# KiCad board Combined.kicad_pcb (continued)
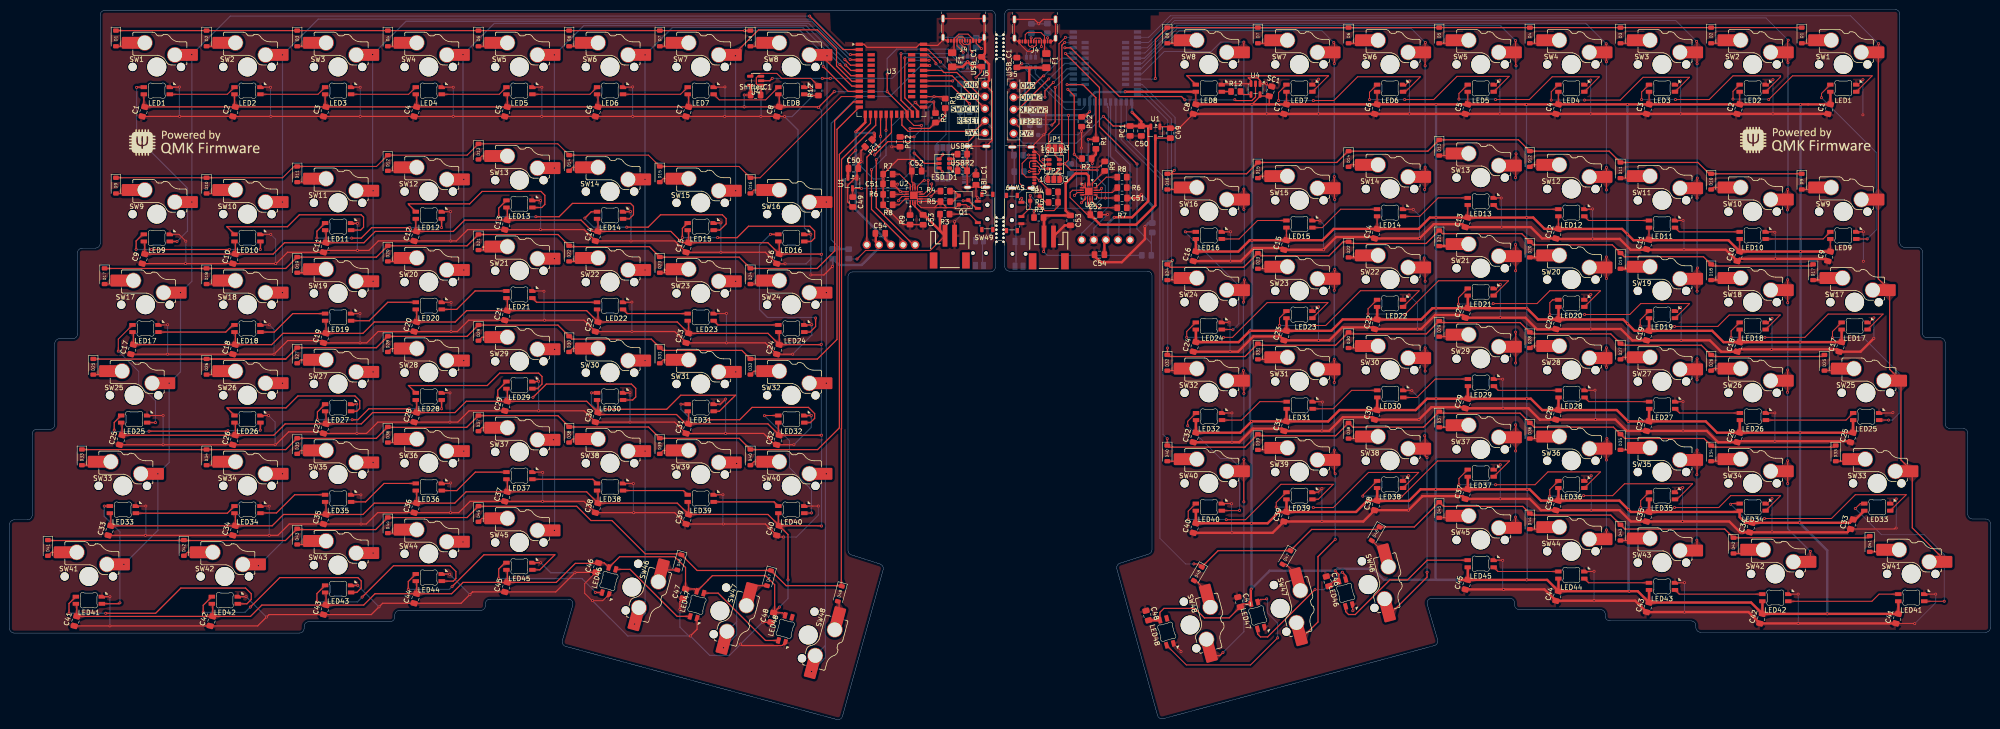
[diagram p0: board, top side]
## Routing (per net, layer and track width the routed paths; a pad name or vN(x,y) marks a point on that pad's centre or on a via; arc(x,y) is an arc through that point) (continued)
R_ROW4: length 434.6
  Top w0.2: v1(243.36,78.12) 243.36,76.72 D32#2.1
  Top w0.25: U3.13 173.91,124.12 173.91,79.94 169.77,75.81 155.74,75.81 D32.1 153.92,77.62 137.25,77.62 D31.1 134.87,80 118.2,80 D30#2.1 115.25,82.95 98.59,82.95 D29#2.1 96.15,80.57 79.54,80.57 D28#2.1 77.1,78.19 60.49,78.19 D27.1 58.05,75.81 ; 58.05,75.81 41.44,75.81 D26.1 ; 58.05,75.81 17.62,75.81 D25#2.1 ; D32#2.1 243.65,76.34 259.64,76.34 D31#2.1 262.7,78.72 278.69,78.72 D30.1 281.75,81.1 297.74,81.1 D29.1 300.8,83.48 317.47,83.48 D28.1 319.85,81.1 336.52,81.1 D27#2.1 338.9,78.72 355.57,78.72 D26#2.1 357.95,76.34 381.09,76.34 D25.1
  Bottom w0.2: v1(243.36,78.12) 243.41,78.17 243.41,126.02 238.06,131.37 U3#2.13
R_ROW5: length 459.7
  Top w0.2: v1(243.31,59.07) D40#2.1
  Top w0.25: U3.15 180.94,125.38 174.41,118.84 174.41,61.34 169.82,56.76 155.74,56.76 D40.1 153.35,59.14 136.69,59.14 D39.1 134.3,61.52 117.64,61.52 D38#2.1 115.25,63.9 98.59,63.9 D37#2.1 96.07,61.44 79.61,61.44 D36.1 77.1,59.14 60.49,59.14 D35#2.1 58.05,56.76 41.44,56.76 D34#2.1 41.38,56.76 15.24,56.76 D33#2.1 ; D40#2.1 243.65,57.29 259.64,57.29 D39#2.1 262.7,59.67 278.69,59.67 D38.1 282.31,61.48 297.18,61.48 D37.1 300.8,64.43 317.47,64.43 D36#2.1 320.41,61.48 337.08,61.48 D35.1 339.46,59.1 356.13,59.1 D34.1 357.95,57.29 383.47,57.29 D33.1
  Bottom w0.2: U3#2.15 234.71,121.97 242.41,114.27 242.41,59.97 v1(243.31,59.07)
R_ROW6: length 535.2
  Top w0.2: v1(248.91,32.72) 249.92,32.72 D48#2.1
  Top w0.25: D41.1 8.16,37.64 36.55,37.64 D42.1 36.74,37.64 57.98,37.64 D43.1 60.63,39.94 76.95,39.94 D44.1 79.54,42.47 96.15,42.47 D45#2.1 98.59,44.85 119.2,44.85 122.21,41.84 126.61,41.84 133.61,34.84 141.01,34.84 D46#2.1 144.51,31.34 160.03,31.34 D47.1 163.23,28.14 174.83,28.14 D48.1 174.93,28.11 174.81,28.24 174.81,61.1 174.86,61.15 174.86,117.79 182.04,124.98 U3.16 ; D41#2.1 390.6,38.22 D42#2.1 360.48,40.05 339.46,40.05 D43#2.1 336.52,43 319.85,43 D44#2.1 318.03,44.81 301.36,44.81 D45.1 295.25,40.5 D46.1 287.41,39.97 273.66,39.97 D47#2.1 253.99,35.5 D48#2.1
  Bottom w0.2: U3#2.16 233.61,121.97 241.76,113.82 241.76,38.12 247.16,32.72 v1(248.91,32.72)
RESET: length 105.7
  Top w0.2: J5#2.4 212.26,124.51 212.26,112.77 v1(212.96,112.07)
  Top w0.25: U3.21 187.54,125 188.86,123.69 202.77,123.69 205.01,125.93
  Bottom w0.2: v1(212.96,112.07) 212.91,112.07
  Bottom w0.25: Reset_Btn1.1 204.48,95.69 204.48,100.49 Reset_Btn1.1 206.5,102.51 206.5,124.44 205.01,125.93 ; v1(212.96,112.07) 212.96,111.52 211.51,110.07 211.51,100.75 Reset_Btn1#2.1 211.53,100.32 211.53,95.52 Reset_Btn1#2.1 ; J5#2.4 211.39,126.15 226.94,126.15 228.11,127.32 U3#2.21
SCK: length 61.3
  Top w0.25: OLED1.2 187.8,100.65 181.16,107.29 v1(181.16,115.64) ; v1(184.21,123.89) 184.24,123.93 U3.18
  Bottom w0.25: v1(181.16,115.64) 184.21,118.69 v1(184.21,123.89) ; OLED1#2.2 233.16,101.07 233.16,116.62 231.41,118.37 U3#2.18
SWDCLK: length 32.3
  Top w0.25: J5.3 198.07,135.4 U3.31 ; v1(218.41,134.72) 212.11,128.42 211.12,128.42 J5#2.3
  Bottom w0.25: U3#2.31 221.76,137.97 218.51,134.72 v1(218.41,134.72)
SWDIO: length 31.2
  Top w0.25: U3.32 195.93,136.5 196.36,136.08 199.07,136.08 204.14,131.01 205.01,131.01 ; v1(217.36,135.37) 217.21,135.37 212.68,130.84 J5#2.2
  Bottom w0.25: U3#2.32 221.06,139.07 v1(217.36,135.37)
SYS_OFF: length 45.6
  Top w0.2: Q1#2.3 201.36,109.09 v1(200.41,109.09) ; v1(186.81,109.09) 186.81,109.24 187.56,109.99 U2.15 ; SW49#2.2 214.51,107.62 Q1.3 214.51,110.22 v1(214.51,110.22) ; v1(229.51,111.72) 229.11,111.32 U2#2.15
  Top w0.25: Q1#2.3 201.51,109.19 203.21,107.49 SW49.2
  Bottom w0.2: v1(214.51,110.22) 217.21,107.52 227.51,107.52 229.51,109.52 v1(229.51,111.72) ; v1(200.41,109.09) v1(186.81,109.09)
USART_RX: length 65.5
  Top w0.2: U3.36 193.06,140.9 195.08,138.88 195.08,138.87 v1(195.66,138.29) ; v1(221.91,143.47) 220.56,142.12 220.56,125.27 218.41,123.12 JP1.1 218.16,119.97 v1(218.16,119.07) ; JP2.1 v1(218.16,114.67)
  Bottom w0.2: v1(218.16,114.67) v1(218.16,119.07) ; 196.96,114.3 JP1#2.1 196.96,114.3 ; JP2#2.1 197.46,119.79 197.41,119.74 ; JP2#2.1 196.96,119.75 ; JP2#2.1 197.46,136.49 v1(195.66,138.29) ; JP2#2.1 197.46,119.65 ; v1(221.91,143.47) U3#2.36
  Bottom w0.5: 197.41,119.74 JP1#2.1
USART_TX: length 67
  Top w0.2: v1(194.71,137.89) 194.71,138.15 193.06,139.8 U3.35 ; JP1.3 221.06,120.17 v1(221.06,118.92) ; JP2.3 v1(220.76,114.82)
  Top w0.25: JP1.3 221.16,120.37 221.16,141.82 221.73,142.39 v1(221.76,142.39)
  Bottom w0.2: v1(220.76,114.82) 220.76,118.62 v1(221.06,118.92) ; JP1#2.3 194.56,114.1 194.56,119.95 JP2#2.3 194.86,121.08 196.82,123.04 196.82,135.78 v1(194.71,137.89)
  Bottom w0.25: U3#2.35 221.78,142.37 v1(221.76,142.39)
  Bottom w0.5: JP1#2.3 194.81,120.2 JP2#2.3
VSENSE: length 111.6
  Top w0.25: v1(236.96,116.82) 229.06,124.72 229.06,132.92 v1(221.91,140.07)
  Top w0.5: U3.33 192.16,137.54 v1(193.41,137.54)
  Bottom w0.25: v1(221.91,140.07) 223.46,140.07 U3#2.33 ; v1(236.96,116.82) 236.96,103.17 239.96,100.17 ; R11.1 239.96,102.22 239.96,100.17 ; 239.96,100.17 R10#2.2 ; v1(193.41,137.54) 191.56,137.54 185.06,131.04 178.36,131.04 172.71,125.39 172.71,100.89 174.61,98.99 174.61,98.94
  Bottom w0.5: R11#2.1 R10.2
Net-(B_LED1-A): length 4.9
  Bottom w0.2: R15#2.2 214.46,128.78 B_LED1#2.2
  Bottom w0.25: R15.2 200.02,133.43 B_LED1.2
Net-(D1-A): length 5.7
  Top w0.25: 22.36,141.59 24.14,141.59 SW1#2.2 ; D1#2.2 378.67,142.22 SW1.2
Net-(D2-A): length 5.7
  Top w0.25: SW2#2.2 43.19,141.59 41.41,141.59 ; D2#2.2 359.62,142.22 SW2.2
Net-(D3-A): length 5.7
  Top w0.25: SW3#2.2 62.24,141.59 60.46,141.59 ; SW3.2 340.57,142.22 D3#2.2
Net-(D4-A): length 5.7
  Top w0.25: D4#2.2 321.52,142.22 SW4.2 ; SW4#2.2 81.29,141.59 79.51,141.59
Net-(D5-A): length 5.7
  Top w0.25: SW5#2.2 302.47,142.22 D5#2.2 ; 98.56,141.59 100.34,141.59 SW5.2
Net-(D6-A): length 5.7
  Top w0.25: SW6.2 283.42,142.22 D6.2 ; SW6#2.2 119.39,141.59 117.61,141.59
Net-(D7-A): length 5.7
  Top w0.25: D7.2 264.37,142.22 SW7#2.2 ; 136.66,141.59 138.44,141.59 SW7.2
Net-(D8-A): length 10.4
  Top w0.25: SW8.2 245.32,142.22 D8#2.2 247.07,142.22 SW8.2 ; 155.71,141.59 157.49,141.59 SW8#2.2
Net-(D9-A): length 5.6
  Top w0.2: D9#2.2 24.14,110.63 SW9#2.2
  Top w0.25: D9.2 378.87,111.47 SW9.2
Net-(D10-A): length 5.6
  Top w0.2: SW10#2.2 43.19,110.63 D10#2.2
  Top w0.25: SW10.2 358.03,111.89 D10.2
Net-(D11-A): length 5.6
  Top w0.2: D11#2.2 62.24,113.02 SW11.2
  Top w0.25: D11.2 340.64,113.85 341.07,114.28 SW11#2.2
Net-(D12-A): length 5.6
  Top w0.2: SW12.2 81.29,115.4 D12#2.2
  Top w0.25: D12.2 319.93,116.66 SW12#2.2
Net-(D13-A): length 5.6
  Top w0.2: D13.2 99.29,118.51 SW13#2.2
  Top w0.25: SW13.2 302.67,118.61 D13#2.2
Net-(D14-A): length 5.6
  Top w0.2: SW14#2.2 118.34,116.13 D14#2.2
  Top w0.25: SW14.2 281.83,116.66 D14.2
Net-(D15-A): length 5.6
  Top w0.2: SW15.2 137.39,113.75 D15.2
  Top w0.25: SW15#2.2 262.78,114.28 D15#2.2
Net-(D16-A): length 9.1
  Top w0.2: D16.2 156.44,111.36 SW16#2.2
  Top w0.25: SW16.2 247.27,111.47 D16#2.2
Net-(D17-A): length 5.6
  Top w0.25: D17.2 21.75,91.58 SW17.2
  Top w0.5: D17#2.2 381.25,92.42 SW17#2.2
Net-(D18-A): length 5.6
  Top w0.25: D18.2 43.19,91.58 SW18.2
  Top w0.5: SW18#2.2 359.82,92.42 D18#2.2
Net-(D19-A): length 10.2
  Top w0.25: SW19.2 63.99,93.97 D19.2 62.24,93.97 SW19.2
  Top w0.5: D19#2.2 340.77,94.8 SW19#2.2
Net-(D20-A): length 5.6
  Top w0.25: SW20.2 81.29,96.35 D20#2.2
  Top w0.5: D20.2 321.72,97.18 SW20#2.2
Net-(D21-A): length 28.7
  Top w0.2: 101.28,99.33 99.5,99.33 ; 101.28,99.33 99.5,99.33 ; 101.28,99.33 99.5,99.33 ; 101.28,99.33 99.5,99.33 ; 101.28,99.33 99.5,99.33 ; 101.28,99.33 99.5,99.33 ; 101.28,99.33 99.5,99.33 ; 101.28,99.33 99.5,99.33 ; 101.28,99.33 99.5,99.33 ; 101.28,99.33 99.5,99.33 ; 101.28,99.33 99.5,99.33 ; 101.28,99.33 99.5,99.33
  Top w0.25: D21.2 100.34,98.73 SW21#2.2
  Top w0.5: SW21.2 304.42,99.56 D21#2.2
Net-(D22-A): length 5.6
  Top w0.25: D22.2 119.39,96.35 SW22.2
  Top w0.5: SW22#2.2 283.62,97.18 D22#2.2
Net-(D23-A): length 27
  Top w0.2: 139.44,94.57 137.66,94.57 ; 139.44,94.57 137.66,94.57 ; 139.44,94.57 137.66,94.57 ; 139.44,94.57 137.66,94.57 ; 139.44,94.57 137.66,94.57 ; 139.44,94.57 137.66,94.57 ; 139.44,94.57 137.66,94.57 ; 139.44,94.57 137.66,94.57 ; 139.44,94.57 137.66,94.57 ; 139.44,94.57 137.66,94.57 ; 139.44,94.57 137.66,94.57 ; 139.44,94.57 137.66,94.57
  Top w0.25: SW23#2.2 138.44,93.97 D23.2 ; D23#2.2 264.57,94.8 SW23.2
Net-(D24-A): length 5.6
  Top w0.25: D24.2 157.49,91.58 SW24#2.2 ; D24#2.2 245.52,92.42 SW24.2
Net-(D25-A): length 7.4
  Top w0.25: D25.2 383.63,73.37 SW25#2.2 ; SW25.2 21.12,72.53 D25#2.2
Net-(D26-A): length 5.6
  Top w0.25: D26#2.2 358.03,73.79 SW26.2 ; SW26#2.2 43.19,72.53 D26.2
Net-(D27-A): length 7.4
  Top w0.2: SW27#2.2 61.19,75.65 D27.2
  Top w0.25: SW27.2 338.98,76.18 D27#2.2
Net-(D28-A): length 7.4
  Top w0.2: D28#2.2 80.24,78.03 SW28.2
  Top w0.25: SW28#2.2 319.93,78.56 D28.2
Net-(D29-A): length 7.4
  Top w0.2: SW29#2.2 99.29,80.41 D29#2.2
  Top w0.25: SW29.2 302.67,80.51 D29.2
Net-(D30-A): length 5.6
  Top w0.2: D30#2.2 118.34,78.03 SW30#2.2
  Top w0.25: D30.2 283.62,78.13 SW30.2
Net-(D31-A): length 7.4
  Top w0.2: D31.2 137.39,75.65 SW31#2.2
  Top w0.25: SW31.2 264.57,75.75 D31#2.2
Net-(D32-A): length 7.4
  Top w0.2: D32.2 156.44,73.26 SW32.2
  Top w0.25: D32#2.2 245.52,73.37 SW32#2.2
Net-(D33-A): length 7.4
  Top w0.25: D33.2 387.77,54.32 SW33.2 ; SW33#2.2 16.99,53.48 D33#2.2
Net-(D34-A): length 5.6
  Top w0.2: SW34.2 43.19,53.48 D34#2.2
  Top w0.25: D34.2 359.82,54.32 SW34#2.2
Net-(D35-A): length 7.4
  Top w0.2: SW35.2 61.19,56.6 D35#2.2
  Top w0.25: SW35#2.2 342.52,56.7 D35.2
Net-(D36-A): length 5.6
  Top w0.2: SW36#2.2 81.29,58.25 D36.2
  Top w0.25: D36#2.2 321.72,59.08 SW36.2
Net-(D37-A): length 7.4
  Top w0.2: SW37#2.2 99.29,61.36 D37#2.2
  Top w0.25: SW37.2 304.42,61.46 D37.2
Net-(D38-A): length 5.6
  Top w0.2: SW38.2 118.34,58.98 D38#2.2
  Top w0.25: D38.2 283.62,59.08 SW38#2.2
Net-(D39-A): length 5.6
  Top w0.2: D39.2 137.39,56.6 SW39#2.2
  Top w0.25: D39#2.2 264.57,56.7 SW39.2
Net-(D40-A): length 7.4
  Top w0.2: D40.2 156.44,54.21 SW40#2.2
  Top w0.25: D40#2.2 247.27,54.32 SW40.2
Net-(D41-A): length 7.4
  Top w0.2: D41.2 8.8,35.16 SW41.2
  Top w0.25: D41#2.2 394.91,35.27 SW41#2.2
Net-(D42-A): length 7.6
  Top w0.2: D42.2 37.37,35.16 SW42#2.2
  Top w0.25: D42#2.2 365.98,34.92 SW42.2
Net-(D43-A): length 5.6
  Top w0.2: D43.2 62.24,36.82 SW43#2.2
  Top w0.25: D43#2.2 340.77,37.65 SW43.2
Net-(D44-A): length 5.6
  Top w0.2: SW44#2.2 81.29,39.2 D44.2
  Top w0.25: D44#2.2 321.72,40.03 SW44.2
Net-(D45-A): length 5.6
  Top w0.2: D45#2.2 99.29,42.31 SW45#2.2
  Top w0.25: SW45.2 302.67,42.41 D45.2
Net-(D46-A): length 8.5
  Top w0.2: D46.2 289.32,34.61 SW46.2
  Top w0.25: D46#2.2 138.24,31.45 SW46#2.2
Net-(D47-A): length 7.4
  Top w0.2: SW47#2.2 268.29,32.64 D47#2.2
  Top w0.25: SW47.2 156.53,28.15 D47.2
Net-(D48-A): length 6
  Top w0.25: SW48.2 174.35,24.58 D48.2 ; D48#2.2 249.29,29.22 SW48#2.2
Net-(ESD_D1-L1-Pad1): length 13.7
  Top w0.2: J1.B7 216.12,116.36 216.46,116.02 v1(216.46,115.47) 216.46,114.97 216.2,114.71 J1.A7 ; ESD_D1.1 217.25,117.74 v1(217.21,117.77) ; ESD_D1#2.1 197.56,115.94 v1(198.16,115.34)
  Bottom w0.2: v1(217.21,117.77) 217.21,116.22 v1(216.46,115.47) ; v1(198.16,115.34) 198.31,115.19 198.37,115.19 198.76,114.8 200.56,114.8 J1#2.A7 201.03,114.88 201.33,115.18 201.33,116.22 201.03,116.53 J1#2.B7
Net-(ESD_D1-L2-Pad3): length 13
  Top w0.2: ESD_D1.3 217.45,115.84 215.82,117.46 J1.A6 214.65,117.46 214.36,117.17 214.36,116.12 214.67,115.81 J1.B6 ; ESD_D1#2.3 198.39,117.9 v1(198.41,117.88)
  Bottom w0.2: J1#2.B6 200.23,115.98 199.93,116.28 199.93,117.32 200.24,117.63 J1#2.A6 198.67,117.63 v1(198.41,117.88)
Net-(ESD_D2-L1-Pad1): length 12.9
  Top w0.2: J4.A7 199.08,142.72 ; J4.A7 199.13,141.7 200.41,140.42 200.41,140.35 v1(200.43,140.32) ; J4.A7 199.13,143.16 199.5,143.54 200.4,143.54 200.78,143.16 J4.B7 ; J4#2.B7 215.79,141.85 215.46,141.52 v1(214.91,141.52) 214.41,141.52 214.14,141.8 J4#2.A7
  Bottom w0.2: v1(214.91,141.52) 213.71,140.32 ESD_D2.1 ; v1(200.43,140.32) 200.41,140.3 ESD_D2#2.1
Net-(ESD_D2-L2-Pad3): length 12.8
  Top w0.2: J4#2.B6 215.24,142.99 215.54,143.3 216.59,143.3 216.89,143 J4#2.A6 216.86,142.57 v1(216.86,141.52) ; J4.B6 200.23,142.37 200.65,141.94 201.45,141.94 201.88,142.36 J4.A6 201.88,140.81 v1(202.3,140.38)
  Bottom w0.2: v1(202.3,140.38) 202.31,140.38 ESD_D2#2.3 ; v1(216.86,141.52) 215.61,140.27 ESD_D2.3
Net-(F1-Pad1): length 18.1
  Top w0.2: F1.1 217.52,140.45 J4#2.A4 217.52,143.71 216.76,144.47 213.91,144.47 213.46,144.02 213.46,143.05 213.5,143.01 J4#2.A9 ; J4.A4 202.51,143.07 201.44,144.14 199.51,144.14 198.49,143.13 J4.A9
  Top w0.25: J4.A9 198.49,140.61 F1#2.1
Net-(G_LED1-A): length 4.6
  Bottom w0.2: G_LED1#2.2 214.62,124.96 R17#2.2
  Bottom w0.25: G_LED1.2 199.76,125.9 R17.2
Net-(J1-CC1): length 7.8
  Top w0.2: J1.A5 215.37,118.72 v1(214.16,118.72) ; 199.24,118.89 USBR1.1 198.37,118.9 198.36,118.89 v1(198.21,118.89) 199.24,118.89
  Bottom w0.2: USBR1#2.1 214.11,118.67 v1(214.16,118.72) 213.21,118.72 ; v1(198.21,118.89) 198.36,118.89 198.37,118.9 200.63,118.9 J1#2.A5
Net-(J1-CC2): length 5.3
  Top w0.2: USBR2.1 199.16,115.5 v1(199.16,116.49) 199.26,116.39 ; J1.B5 215.34,115.22 214.33,115.22 v1(214.31,115.24)
  Bottom w0.2: J1#2.B5 200.61,115.4 200.24,115.4 200.07,115.58 200.07,115.58 199.53,116.11 199.53,116.12 v1(199.16,116.49) ; v1(214.31,115.24) 213.36,115.24
Net-(J4-CC1): length 5.1
  Top w0.2: v1(218.16,143.37) 218.16,143.37 J4#2.A5 ; v1(204.26,141.09) 203.15,142.2 J4.A5
  Bottom w0.2: R13.1 218.16,144.32 v1(218.16,143.37)
  Bottom w0.25: v1(204.26,141.09) 203.98,141.37 R13#2.1
Net-(J4-CC2): length 5.2
  Top w0.2: v1(214.71,143.37) 214.69,143.35 J4#2.B5 ; J4.B5 199.68,142.76 199.68,142.34 v1(200.91,141.12)
  Bottom w0.2: v1(214.71,143.37) 214.71,144.27 R14#2.1
  Bottom w0.25: v1(200.91,141.12) 200.66,141.37 R14.1
Net-(LED1-DIN): length 54
  Top w0.2: LED1#2.3 391.46,135.37 374.71,135.37 v1(369.71,130.37) ; v1(362.21,130.47) 362.21,132.12 LED2.2 ; 33.68,131.49 45.78,131.49 LED2#2.2
  Bottom w0.2: v1(362.21,130.47) 369.61,130.47 v1(369.71,130.37)
Net-(LED1-DOUT): length 81.9
  Top w0.2: v1(380.81,130.77) 380.81,131.67 LED1#2.2 ; LED9#2.3 390.22,101.06 390.22,101.07 v1(390.41,101.07)
  Top w0.25: v1(35.21,100.54) 33.69,100.54 33.68,100.53 ; v1(26.71,132.94) 26.76,132.99 LED1.2
  Bottom w0.2: v1(390.41,101.07) 392.31,102.97 392.31,119.27 v1(380.81,130.77)
  Bottom w0.25: v1(35.21,100.54) 37.41,102.74 37.41,111.74 26.71,122.44 v1(26.71,132.94)
Net-(LED2-DIN): length 53.9
  Top w0.2: LED3#2.2 343.01,131.97 v1(343.01,130.37) ; LED2.3 372.21,135.17 372.21,135.37 362.21,135.37 357.21,130.37 v1(350.11,130.37) ; LED3.2 64.83,131.49 LED2#2.3
  Bottom w0.2: v1(343.01,130.37) v1(350.11,130.37)
Net-(LED3-DIN): length 53.4
  Top w0.2: v1(324.01,130.27) 324.01,132.02 LED4#2.2 ; LED3#2.3 353.06,135.07 343.31,135.07 338.51,130.27 v1(331.01,130.27) ; LED3.3 83.88,131.49 LED4.2
  Bottom w0.2: v1(324.01,130.27) v1(331.01,130.27)
Net-(LED4-DIN): length 54
  Top w0.2: LED5#2.2 102.93,131.49 LED4.3 ; v1(312.31,130.37) 319.41,130.37 324.21,135.17 334.11,135.17 LED4#2.3 ; v1(304.61,130.47) 304.61,131.67 LED5.2
  Bottom w0.2: v1(304.61,130.47) 312.21,130.47 v1(312.31,130.37)
Net-(LED5-DIN): length 54
  Top w0.2: LED6.2 121.98,131.49 LED5#2.3 ; LED5.3 315.16,135.27 304.21,135.27 299.31,130.37 v1(293.21,130.37) ; v1(285.81,130.37) 285.81,131.92 LED6#2.2
  Bottom w0.2: v1(285.81,130.37) v1(293.21,130.37)
Net-(LED6-DIN): length 55.1
  Top w0.2: LED6#2.3 293.36,132.02 296.51,135.17 283.31,135.17 278.31,130.17 v1(274.01,130.17) ; LED7#2.2 266.71,131.87 v1(266.71,130.17) ; LED7.2 141.03,131.49 LED6.3
  Bottom w0.2: v1(266.71,130.17) v1(274.01,130.17)
Net-(LED7-DIN): length 52.3
  Top w0.2: 277.16,135.37 LED7#2.3 ; LED7.3 149.16,130.32 158.91,130.32 LED8.2
  Top w0.25: LED8#2.2 247.44,135.4 277.14,135.4 277.16,135.37
Net-(LED10-DIN): length 46
  Top w0.2: LED9#2.2 381.16,101.06 LED10#2.3
  Top w0.25: v1(46.21,98.84) v1(29.81,98.84) ; v1(26.61,98.84) 26.61,100.64 28,102.03 LED9.2 ; v1(52.71,98.84) 52.73,98.87 LED10.3
  Bottom w0.25: v1(26.61,98.84) v1(29.81,98.84) ; v1(52.71,98.84) v1(46.21,98.84)
Net-(LED10-DOUT): length 51.2
  Top w0.2: LED10#2.2 350.89,102.56 LED11#2.3
  Top w0.25: LED10.2 45.67,103.64 58.41,103.64 60.91,106.14 73.91,106.14 74.41,105.64 74.41,103.54 73.78,102.92 LED11.3
Net-(LED11-DOUT): length 46.8
  Top w0.2: LED11#2.2 331.84,104.95 LED12#2.3
  Top w0.25: LED12.3 90.81,105.27 v1(90.81,103.44) ; LED11.2 64.61,102.69 v1(64.61,101.24) ; v1(84.11,103.44) 76.11,103.44 73.91,101.24 v1(71.91,101.24)
  Bottom w0.25: v1(64.61,101.24) v1(71.91,101.24) ; v1(84.11,103.44) v1(90.81,103.44)
Net-(LED12-DOUT): length 51.2
  Top w0.2: LED12#2.2 312.79,107.33 LED13#2.3
  Top w0.25: LED12.2 84.01,108.17 84.01,108.24 83.81,108.44 96.71,108.44 99.32,111.06 111.69,111.06 112.51,110.24 112.51,108.34 111.84,107.68 LED13.3
Net-(LED13-DOUT): length 53.4
  Top w0.2: LED13#2.2 300.25,109.71 296.37,105.83 LED14#2.3
  Top w0.25: v1(102.81,105.74) 102.81,107.55 LED13.2 ; LED14.3 130.26,105.3 131.13,106.17 131.13,107.92 130.51,108.54 118.31,108.54 115.51,105.74 v1(110.61,105.74)
  Bottom w0.25: v1(102.81,105.74) v1(110.61,105.74)
Net-(LED14-DOUT): length 54.6
  Top w0.2: LED14#2.2 279.77,107.33 275.89,103.45 LED15#2.3
  Top w0.25: LED14.2 122.26,106.8 v1(120.91,105.44) ; LED15.3 149.28,102.92 150.61,104.24 150.61,105.34 149.81,106.14 136.81,106.14 134.21,103.54 v1(129.71,103.54)
  Bottom w0.25: v1(129.71,103.54) 122.71,103.54 120.91,105.34 v1(120.91,105.44)
Net-(LED15-DOUT): length 51.9
  Top w0.2: LED16.3 258.4,101.06 262.29,104.95 LED15#2.2
  Top w0.25: v1(148.81,101.34) 152.91,101.34 155.31,103.74 168.21,103.74 169.21,102.74 169.21,101.24 168.5,100.53 LED16#2.3 ; v1(141.41,101.34) 141.41,103.29 LED15.2
  Bottom w0.25: v1(141.41,101.34) v1(148.81,101.34)
Net-(LED16-DOUT): length 66
  Top w0.2: LED16.2 247.4,102.56 247.4,102.57 v1(247.11,102.57) ; LED24.3 257.07,82.01 v1(257.11,81.97)
  Top w0.25: v1(169.41,84.44) 169.41,82.64 168.25,81.48 LED24#2.3 ; LED16#2.2 160.11,102.03 160.11,102.04 v1(159.91,102.04)
  Bottom w0.2: v1(247.11,102.57) 247.11,102.47 258.34,91.24 258.34,83.2 v1(257.11,81.97)
  Bottom w0.25: v1(159.91,102.04) 157.61,99.74 157.61,86.24 159.29,84.55 169.29,84.55 v1(169.41,84.44)
Net-(LED17-DIN): length 59.1
  Top w0.2: LED17#2.3 393.75,85.27 382.21,85.27 377.31,80.37 v1(368.91,80.37) ; LED18#2.2 361.81,81.71 v1(361.81,80.37)
  Top w0.25: LED17.3 45.45,81.48 46.95,82.98 LED18.2
  Bottom w0.2: v1(361.81,80.37) v1(368.91,80.37)
Net-(LED17-DOUT): length 61.1
  Top w0.2: v1(22.86,77.47) 22.86,79.99 LED17.2 ; v1(394.91,62.97) 392.93,62.97 LED25#2.3 ; LED17#2.2 383.11,81.58 v1(383.11,80.27) ; v1(30.66,62.44) 28.92,62.44 LED25.3
  Bottom w0.2: v1(30.66,62.44) 30.66,67.04 27.17,70.53 27.17,73.16 v1(22.86,77.47) ; v1(383.11,80.27) 383.16,80.32 389.61,80.32 397.11,72.82 397.11,64.37 395.71,62.97 v1(394.91,62.97)
Net-(LED18-DIN): length 54.3
  Top w0.2: LED18#2.3 372.11,85.06 372.11,85.07 361.41,85.07 359.01,82.67 v1(349.91,82.67) ; v1(342.71,82.77) 342.71,84.05 LED19#2.2 344.72,85.9 344.89,86.06 344.85,86.15
  Top w0.25: LED18.3 55.65,81.48 59.53,85.37 LED19.2
  Bottom w0.2: v1(349.91,82.67) 349.81,82.77 v1(342.71,82.77)
Net-(LED19-DIN): length 54.4
  Top w0.2: v1(331.01,85.17) 340.51,85.17 342.81,87.47 353.09,87.47 LED19#2.3 ; v1(323.71,85.17) 323.71,87.67 324.32,88.28 LED20#2.2
  Top w0.25: LED20.2 79.49,87.75 75.61,83.87 LED19.3
  Bottom w0.2: v1(323.71,85.17) v1(331.01,85.17)
Net-(LED20-DIN): length 55
  Top w0.2: LED21.2 304.51,88.71 v1(304.51,87.37) ; v1(311.81,87.47) 321.01,87.47 323.71,90.17 334.31,90.17 334.31,90.13 LED20#2.3
  Top w0.25: LED20.3 93.97,86.25 97.85,90.13 LED21#2.2
  Bottom w0.2: v1(304.51,87.37) 311.71,87.37 v1(311.81,87.47)
Net-(LED21-DIN): length 54.6
  Top w0.2: v1(293.21,85.17) 300.31,92.27 315.01,92.27 315.01,92.26 LED21.3 ; LED22.2 285.51,86.38 v1(285.51,85.27)
  Top w0.25: LED21#2.3 110.76,87.75 LED22#2.2
  Bottom w0.2: v1(285.51,85.27) 293.11,85.27 v1(293.21,85.17)
Net-(LED22-DIN): length 54.8
  Top w0.2: LED23.2 266.91,84.45 v1(266.91,82.87) ; v1(274.11,82.87) 276.61,82.87 283.91,90.17 296.25,90.17 LED22.3
  Top w0.25: LED23#2.2 129.81,85.37 LED22#2.3
  Bottom w0.2: v1(266.91,82.87) v1(274.11,82.87)
Net-(LED23-DIN): length 55.2
  Top w0.2: v1(247.41,80.37) 247.41,81.61 LED24.2 ; LED23.3 277.09,87.67 264.31,87.67 257.01,80.37 v1(255.11,80.37)
  Top w0.25: LED23#2.3 148.86,82.98 LED24#2.2
  Bottom w0.2: v1(247.41,80.37) v1(255.11,80.37)
Net-(LED25-DOUT): length 55.2
  Top w0.2: LED26.3 385.97,62.96 LED25#2.2
  Top w0.25: LED26#2.3 52.71,62.41 v1(52.71,60.84) ; LED25.2 22.01,62.47 v1(22.01,60.84) ; v1(29.31,60.64) 45.81,60.64 v1(45.91,60.74)
  Bottom w0.25: v1(22.01,60.84) 22.31,60.54 29.21,60.54 v1(29.31,60.64) ; v1(52.71,60.84) 52.61,60.74 v1(45.91,60.74)
Net-(LED26-DOUT): length 49.3
  Top w0.2: LED26.2 350.94,64.46 LED27.3
  Top w0.25: LED26#2.2 45.91,65.31 45.91,65.34 45.71,65.54 58.11,65.54 60.61,68.04 72.61,68.04 73.61,67.04 73.61,65.44 72.98,64.82 LED27#2.3
Net-(LED27-DOUT): length 46.8
  Top w0.2: LED28#2.3 331.89,66.85 LED27.2
  Top w0.25: v1(72.01,63.04) 73.21,63.04 75.51,65.34 v1(84.01,65.34) ; v1(64.71,63.04) 64.71,64.69 LED27#2.2 ; LED28.3 90.81,67.17 v1(90.81,65.34)
  Bottom w0.25: v1(64.71,63.04) v1(72.01,63.04) ; v1(84.01,65.34) v1(90.81,65.34)
Net-(LED28-DOUT): length 49.6
  Top w0.2: LED29#2.3 312.84,69.23 LED28#2.2
  Top w0.25: LED28.2 83.84,70.24 100.41,70.24 103.01,72.84 111.21,72.84 111.91,72.14 111.91,70.54 110.94,69.58 LED29.3
Net-(LED29-DOUT): length 54.6
  Top w0.2: LED29#2.2 299.65,71.61 295.77,67.73 LED30.3
  Top w0.25: LED29.2 102.61,69.25 v1(102.61,67.74) ; v1(110.01,67.74) 112.81,70.54 130.71,70.54 131.61,69.64 131.61,67.84 130.96,67.2 LED30#2.3
  Bottom w0.25: v1(102.61,67.74) v1(110.01,67.74)
Net-(LED30-DOUT): length 56.9
  Top w0.2: LED31#2.3 278.19,65.35 282.07,69.23 LED30.2
  Top w0.25: v1(125.31,65.24) 138.11,65.24 141.06,68.2 152.59,68.2 151.77,67.38 151.74,67.38 149.18,64.82 LED31.3 ; v1(122.31,68.7) LED30#2.2
  Bottom w0.25: v1(125.31,65.24) 123.31,65.24 122.31,66.24 122.31,68.6 122.21,68.7 v1(122.31,68.7)
Net-(LED31-DOUT): length 51.9
  Top w0.2: LED32.3 258.9,62.96 262.79,66.85 LED31#2.2
  Top w0.25: v1(141.11,66.32) LED31.2 ; v1(146.93,63.04) 153.46,63.04 156.06,65.64 167.91,65.64 169.21,64.34 169.21,63.34 168.3,62.43 LED32#2.3
  Bottom w0.25: v1(146.93,63.04) 143.31,63.04 141.11,65.24 v1(141.11,66.32)
Net-(LED32-DOUT): length 59.8
  Top w0.2: v1(247.61,61.77) 247.61,62.71 LED32.2 ; v1(258.51,43.97) 258.45,43.91 LED40#2.3 ; LED32#2.2 158.7,63.93 v1(158.66,63.89) ; LED40.3 167.06,43.42 168.53,43.42 v1(168.56,43.44)
  Bottom w0.2: v1(168.56,43.44) 168.56,48.23 168.16,48.63 168.16,48.71 163.91,52.97 163.91,58.64 v1(158.66,63.89) ; v1(258.51,43.97) 258.51,53.07 256.71,54.87 254.51,54.87 v1(247.61,61.77)
Net-(LED33-DIN): length 68.3
  Top w0.2: v1(368.81,42.27) 382.91,42.27 387.91,47.27 398.61,47.27 LED33.3 ; LED34.2 361.85,45.41 v1(361.71,45.27)
  Top w0.25: LED33#2.3 45.78,43.38 LED34#2.2
  Bottom w0.2: v1(368.81,42.27) 364.71,42.27 v1(361.71,45.27)
Net-(LED33-DOUT): length 65.8
  Top w0.2: LED33.2 388.95,45.41 v1(387.91,44.37) ; LED41.3 406.6,24.86 v1(406.61,24.87)
  Top w0.25: v1(19.91,44.88) LED33#2.2 ; v1(23.21,24.54) 23.01,24.34 19.4,24.34 LED41#2.3
  Bottom w0.2: v1(387.91,44.37) 393.41,38.87 402.41,38.87 406.61,34.67 v1(406.61,24.87)
  Bottom w0.25: v1(23.21,24.54) 23.21,39.44 19.91,42.74 v1(19.91,44.88)
Net-(LED34-DIN): length 54.1
  Top w0.2: LED34.3 372.22,47.07 361.71,47.07 359.21,44.57 v1(349.91,44.57) ; LED35.2 342.81,46.05 v1(342.81,44.57)
  Top w0.25: LED35#2.2 59.93,47.27 56.11,43.44 52.79,43.44 LED34#2.3
  Bottom w0.2: v1(342.81,44.57) v1(349.91,44.57)
Net-(LED35-DIN): length 55.3
  Top w0.2: LED35.3 350.44,46.3 353.71,49.57 339.41,49.57 336.91,47.07 v1(330.81,47.07) ; v1(323.71,46.97) 323.71,48.38 LED36#2.2
  Top w0.25: LED35#2.3 74.83,45.77 78.71,49.65 LED36.2
  Bottom w0.2: v1(330.81,47.07) 330.71,46.97 v1(323.71,46.97)
Net-(LED36-DIN): length 54.8
  Top w0.2: LED36#2.3 334.35,52.07 323.31,52.07 320.61,49.37 v1(312.31,49.37) ; v1(304.61,49.37) 304.61,50.71 LED37#2.2
  Top w0.25: LED36.3 90.84,48.14 94.01,48.14 97.89,52.03 LED37.2
  Bottom w0.2: v1(304.61,49.37) v1(312.31,49.37)
Net-(LED37-DIN): length 57
  Top w0.2: LED37#2.3 315.21,54.36 315.21,54.37 300.11,54.37 292.71,46.97 v1(292.51,46.97) ; v1(284.41,46.97) 284.41,47.18 LED38.2
  Top w0.25: LED37.3 122.6,50.53 LED38#2.2
  Bottom w0.2: v1(284.41,46.97) v1(292.51,46.97)
Net-(LED38-DIN): length 55.7
  Top w0.2: LED38.3 296.15,51.97 285.61,51.97 278.21,44.57 v1(274.01,44.57) ; LED39#2.2 266.21,45.65 v1(266.21,44.67)
  Top w0.25: LED39.2 141.65,48.15 LED38#2.3
  Bottom w0.2: v1(266.21,44.67) 273.91,44.67 v1(274.01,44.57)
Net-(LED39-DIN): length 57.3
  Top w0.2: v1(255.71,42.02) 259.76,42.02 267.21,49.47 278.21,49.47 275.04,46.3 LED39#2.3 ; LED40#2.2 247.71,43.81 v1(247.71,42.07)
  Top w0.25: LED40.2 160.7,45.77 LED39.3
  Bottom w0.2: v1(255.71,42.02) 255.66,42.07 v1(247.71,42.07)
Net-(LED41-DOUT): length 73.2
  Top w0.2: LED41.2 392.9,26.36 391.4,24.86 LED42#2.3
  Top w0.25: v1(12.51,22.34) 12.51,24.4 LED41#2.2 ; v1(20.21,22.34) 30.71,22.34 36.01,27.64 49.61,27.64 50.81,26.44 50.81,25.24 49.9,24.33 LED42.3
  Bottom w0.25: v1(12.51,22.34) v1(20.21,22.34)
Net-(LED42-DOUT): length 63.3
  Top w0.2: LED42#2.2 350.89,26.36 LED43#2.3
  Top w0.25: v1(50.61,23.64) 56.81,29.84 73.21,29.84 73.91,29.14 73.91,27.64 72.98,26.72 LED43.3 ; v1(40.71,22.54) 40.71,24.02 LED42.2
  Bottom w0.25: v1(40.71,22.54) 49.51,22.54 v1(50.61,23.64)
Net-(LED43-DOUT): length 55.7
  Top w0.2: LED43#2.2 331.84,28.75 LED44#2.3
  Top w0.25: LED44.3 93.26,29.1 93.81,29.64 93.81,31.14 92.61,32.34 80.71,32.34 v1(74.11,25.74) ; LED43.2 64.61,26.49 v1(64.61,24.74)
  Bottom w0.25: v1(64.61,24.74) 73.11,24.74 v1(74.11,25.74)
Net-(LED44-DOUT): length 57.7
  Top w0.2: LED45#2.3 312.79,31.13 LED44#2.2
  Top w0.25: LED45.3 111.44,31.48 114.61,34.64 99.71,34.64 v1(93.01,27.94) ; LED44.2 83.81,29.02 v1(83.81,27.34)
  Bottom w0.25: v1(93.01,27.94) 92.41,27.34 v1(83.81,27.34)
Net-(LED45-DOUT): length 59
  Top w0.25: v1(102.81,29.64) 102.81,31.64 104.14,32.98 LED45.2 ; v1(123.11,26.74) 123.15,26.7 LED46#2.3 ; LED45#2.2 297.95,33.51 293.81,29.37 290.11,29.37 282.81,22.07 281.41,22.07 280.79,22.69 LED46.3
  Bottom w0.25: v1(102.81,29.64) 120.31,29.64 123.11,26.84 v1(123.11,26.74)
Net-(LED46-DOUT): length 46.3
  Top w0.25: LED46.2 280.83,30.25 v1(280.11,30.97) ; LED47.3 262.29,17.99 262.91,17.37 264.41,17.37 v1(274.36,27.32) ; LED46#2.2 130.43,31.57 140.3,21.7 LED47#2.3
  Bottom w0.25: v1(280.11,30.97) 279.91,30.97 276.26,27.32 v1(274.36,27.32)
Net-(LED47-DOUT): length 59
  Top w0.2: v1(266.51,17.17) 260.81,11.47 247.32,11.47 LED48.3 ; LED47.2 262.9,25.27 264.11,25.27 v1(264.21,25.37)
  Top w0.25: LED47#2.2 148.93,26.57 158.87,16.62 LED48#2.3 ; 262.01,25.02 LED47.2
  Bottom w0.2: v1(264.21,25.37) 264.41,25.17 264.41,22.37 266.51,20.27 v1(266.51,17.17)
Net-(Q1-G): length 12.4
  Top w0.2: Q1.1 217.61,107.02 219.51,107.02 220.36,107.87 220.36,108.77 R5.2 R4.1
  Top w0.25: R4#2.1 198.56,111.14 Q1#2.1 198.26,108.94 R5#2.2
Net-(SW49-A): length 12.7
  Top w0.2: SW49.1 201.71,106.29 R3.1 ; R3#2.1 v1(215.31,106.87) ; v1(212.71,109.62) 212.71,108.82 SW49#2.1
  Bottom w0.2: v1(212.71,109.62) 212.71,109.47 v1(215.31,106.87)
Net-(U2-ILIM): length 11.9
  Top w0.2: R7.2 187.06,114.69 189.31,112.44 U2.12 ; U2#2.12 227.56,108.97 228.91,107.62 R7#2.2
Net-(U2-ISET): length 9
  Top w0.2: R8#2.2 230.5,114.07 U2#2.16 ; R8.2 186.96,108.24 188.21,109.49 U2.16
Net-(U2-TMR): length 8
  Top w0.2: R6.2 231.76,110.82 U2#2.14 ; R6#2.2 188.57,110.44 U2.14
Net-(U2-TS): length 6.7
  Top w0.2: U2#2.1 227.56,112.77 R9#2.2 ; R9.2 189.31,106.14 U2.1
Net-(U4-Y): length 18.1
  Top w0.2: U4#2.4 156.27,135.89 161.26,135.89 162.31,134.84 168.41,134.84 R12.2
  Top w0.25: R12#2.2 259.35,131.43 U4.4

## Copper pours and planes (outline as drawn; the poured copper is in the pictures)
GND on Top, Bottom: 444.47,205.66 -58.13,207.78 -63.88,-61.52 438.72,-68.4

Small or netless copper shapes (teardrops, artwork), in the pictures only: 1489 on Top, 399 on Bottom

## Text on the board
F.Silkscreen: SWDCLK | SWDIO | RESET | GND | 3V3
